# KiCad board MegaXE-keyboard.kicad_pcb (continued)
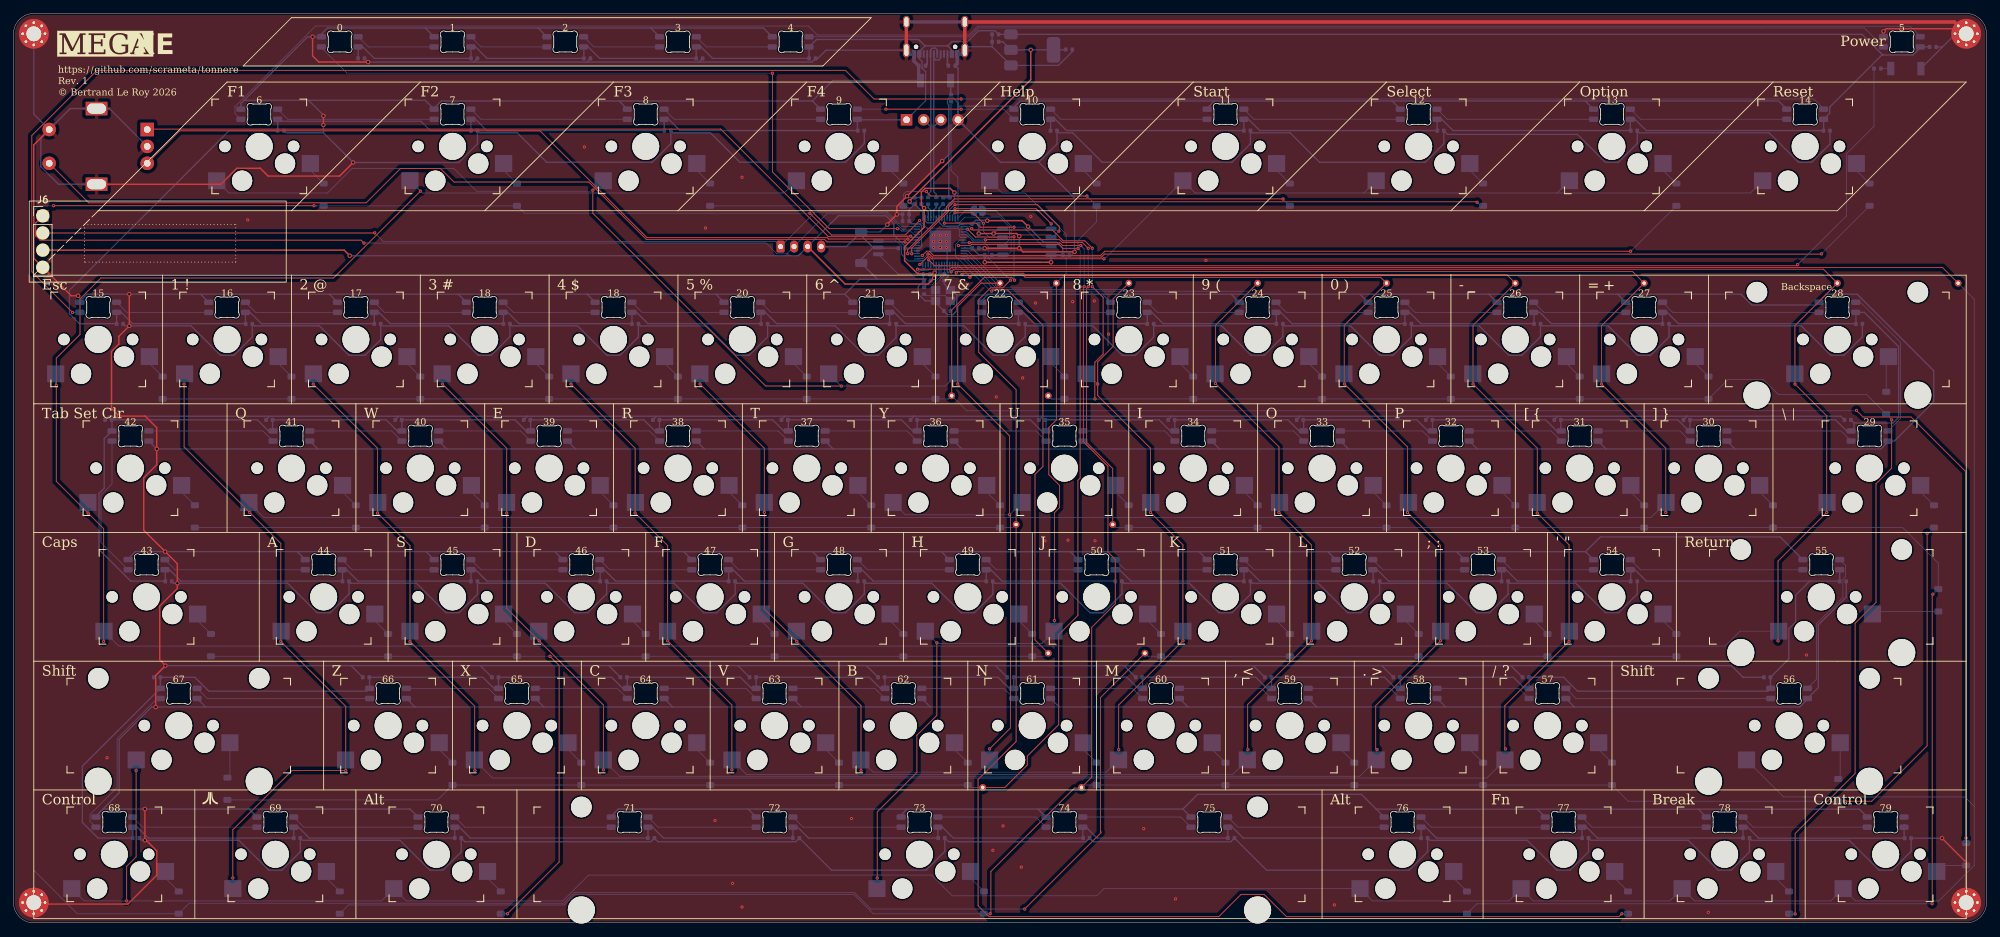
[diagram p0: board, top side]
## Library data of the parts (continued)
J6 = -: Description: Generic connector, single row, 01x04, script generated (kicad-library-utils/schlib/autogen/connector/); ki_fp_filters: Connector*:*_1x??_*
J9 = -: Basic: Ext; LCSC Part #: C160389; ki_fp_filters: Connector*:*_1x??-1MP*
R6 R7 = -: Description: Resistor; LCSC Part #: C25905; ki_fp_filters: R_*
R26 R28 = -: Basic: Basic; LCSC Part #: C138021; ki_fp_filters: R_*
R30-R32 = -: Basic: Basic; LCSC Part #: C11702; ki_fp_filters: R_*
R36 R37 = -: Basic: -; ki_fp_filters: R_*
SW1 = -: Datasheet: https://jlc-prod-smt.oss-eu-central-1.aliyuncs.com/smtDataManualFile/8588888800168304640-C470748.pdf?response-content-disposition=attachment%3B%20filename%3DC470748.pdf%3B%20filename%2A%3DUTF-8%27%27C470748.pdf&x-oss-date=20260602T220947Z&x-oss-expires=3600&x-oss-security-token=CAISgAN1q6Ft5B2yfSjIr5rkGO7ui7Z2wbbZYUHo01YyOOlhlojeuDz2IHhMdHJsAOodtv0%2FmmhT6PkclqRLcbhpcmfjV%2BZHzLB8qZEMsDdB4J7b16cNrbH4M4H6aXeirtuwDsz9SNTCALjPD3nPii50x5bjaDymRCbLGJaViJlhHLN1Ow6jdmhpCctxLAlvo9NgFxm3D%2Fu2NQPwiWf9FVdhvhEG6Vly8qOi2MaRmFy8yFTx0b0SvJ%2BjYMrmPctoN9JnSdC5mfdzau3a1TJ84gRD0a5wkaVA1zbDs5bfISEIuUzebreLqY03dV4mOvdqIcMe8qigz88fk%2FfIioH6xyxKOexoSCnFTOiiupCcQLPyao9jLu6iayqViY7QaIOTqQohZmkAMwVOasAsI3Ngh4zF97Qt0cVNkXO9gWfLI8DtuMleWgrIek9pEAPyAFpORa%2Bb5wchMHn6pr9EWOXuJZUIn3b%2FstWNupKq5ldctHSeoXq108CXVnU5PXYIssdUkqKWD5sagAFQ1G8Y1hXE%2Boia8uQIuXyzg4Doa8UkNKdPOSIDMABlffhli8P6U5m6tsuqrDCDNqQCSqfMVouVdLSGxfLSvU7LIBMzAShE%2Fnuc9%2FA1jTooAdcaW3J8WtrxHjuDf96Rs7U6rPt5kDVuwdvDdhwpeqnP18PBUPBJemA9RuSAUEfgOCAA&x-oss-signature-version=OSS4-HMAC-SHA256&x-oss-credential=STS.NYQSTZfiWvt2cgY7Vg4fMyMuZ%2F20260602%2Feu-central-1%2Foss%2Faliyun_v4_request&x-oss-signature=005bde505603f591e5983d590ed1096a9a7d0d8223e52cb50bdcdabc72613392; Description: Rotary encoder, dual channel, incremental quadrate outputs, with switch and MP Pin; LCSC Part #: C470748; ki_fp_filters: RotaryEncoder*Switch*
SW2 SW3 = -: Datasheet: https://jlc-prod-smt.oss-eu-central-1.aliyuncs.com/smtDataManualFile/8588886944055513088-C720477.pdf?response-content-disposition=attachment%3B%20filename%3DC720477.pdf%3B%20filename%2A%3DUTF-8%27%27C720477.pdf&x-oss-date=20260522T081900Z&x-oss-expires=3600&x-oss-security-token=CAISgAN1q6Ft5B2yfSjIr5mBH%2FHXiIpG84WgWH%2FDr0xhYcodqJXS1Dz2IHhMdHJsAOodtv0%2FmmhT6PkclqRLcbhpcmfjV%2BZHzLB8qbZiqBpN4J7b16cNrbH4M4H6aXeirtuwDsz9SNTCALjPD3nPii50x5bjaDymRCbLGJaViJlhHLN1Ow6jdmhpCctxLAlvo9NgFxm3D%2Fu2NQPwiWf9FVdhvhEG6Vly8qOi2MaRmFy8yFTx0b0SvJ%2BjYMrmPctoN9JnSdC5mfdzau3a1TJ84gRD0a5wkaVA1zbDs5bfISEIuUzebreLqY03dV4mOvdqIcMe8qigz88fk%2FfIioH6xyxKOexoSCnFTOiiupCcQLPyao9jLu6iayqViY7QaIOTqQohZmkAMwVOasAsI3Ngh4zF97Qt0cVNkXO9gWfLI8DtuMleWkrmVsgXsnSgc5lCkRRYwGs1287ugXlSQzo890KPDAEovaKCnZ2ZSfh7Y4sNknI6i%2Bfc2Se2MIkINlSIlqKWD5sagAGBHo9juQga0UU9jygNsHjyrAQeNxYHLKXh0uwJXaw9qKEM18tWHT1UMbquKqIkyVDbYPU8MvPD6GmsMOSzcApLXxnWDLUG3GBb75SmGYu1HkaqOTLl%2BHpMTr6TuT%2BtiM%2Fib1999m%2FpcGcr6A%2F5aEvae3nTbiSELaXVe3uugNXDRCAA&x-oss-signature-version=OSS4-HMAC-SHA256&x-oss-credential=STS.NZ4TKceUgDGKZYrKL4mE1GPy6%2F20260522%2Feu-central-1%2Foss%2Faliyun_v4_request&x-oss-signature=2a304137787ed6ddbd56df183787f43c5b1f7a11adb004a0b29fe2d21053da7c; Basic: Basic; LCSC Part #: C720477
SW10-SW17 SW19-SW59 SW61 SW64-SW68 SW70-SW74 SW76-SW80 = -: Datasheet: https://jlc-prod-smt.oss-eu-central-1.aliyuncs.com/smtDataManualFile/8604433240921165824-C41430893.pdf?response-content-disposition=attachment%3B%20filename%3DC41430893.pdf%3B%20filename%2A%3DUTF-8%27%27C41430893.pdf&x-oss-date=20260602T212829Z&x-oss-expires=3600&x-oss-security-token=CAISgAN1q6Ft5B2yfSjIr5vYLOvtrotQ57aSbEKHr2YbOOhuhoPa1Dz2IHhMdHJsAOodtv0%2FmmhT6PkclqRLcbhpcmfjV%2BZHzLB8qbtA%2BTFB4J7b16cNrbH4M4H6aXeirtuwDsz9SNTCALjPD3nPii50x5bjaDymRCbLGJaViJlhHLN1Ow6jdmhpCctxLAlvo9NgFxm3D%2Fu2NQPwiWf9FVdhvhEG6Vly8qOi2MaRmFy8yFTx0b0SvJ%2BjYMrmPctoN9JnSdC5mfdzau3a1TJ84gRD0a5wkaVA1zbDs5bfISEIuUzebreLqY03dV4mOvdqIcMe8qigz88fk%2FfIioH6xyxKOexoSCnFTOiiupCcQLPyao9jLu6iayqViY7QaIOTqQohZmkAMwVOasAsI3Ngh4zF97Qt0cVNkXO9gWfLI8DtuMleWkpt2eoFgnSgc5lCkRRYwGs1287ugXlSQzo890KPDAEovaKCnZ2ZSfh7Y4sNknI6i%2Bfc2Se2MIkIJTXmgqKWD5sagAEOhQvzaMhr522981bZ3Jt77odz58RqZ28p%2FcZjEaHKOJOqOodF3yd7OY%2FiIojoGokMnNcwv3foPOlnrLOao%2FR1a5tqEWePVPAdLq3eXgpuIGb9%2Fbp2BoniUVejor3c8AApFc3UQOQ3XQw8zvJdGvkIKgFWWQ%2BxWxlaChNQDmCRnSAA&x-oss-signature-version=OSS4-HMAC-SHA256&x-oss-credential=STS.NXmgQYCTqPtynd6KfN4gBiFq6%2F20260602%2Feu-central-1%2Foss%2Faliyun_v4_request&x-oss-signature=eda8f87dcb1e24bc1ab1aa05eecb016c404c3a534c63c45342ff6449384909d0; Description: Push button switch, generic, two pins; JLCPCB Part #: C41430893; LCSC Part #: C41430893; FT Layer Override: bottom; FT Rotation Offset: 180; FT Position Offset: 0.635,3.81
SW18 = -: JLCPCB Part #: C41430893; FT Position Offset: 0.635,3.81; FT Layer Override: bottom; FT Rotation Offset: 180
SW62 SW63 SW69 SW75 = -: LCSC Part #: C41430893; FT Layer Override: bottom; FT Position Offset: 0.635,3.81; FT Rotation Offset: 180
TP1-TP17 = -: Description: test point; ki_fp_filters: Pin* Test*
U4 = -: Datasheet: http://www.onsemi.com/pub_link/Collateral/NCP1117-D.PDF; Basic: Basic; LCSC Part #: C6186; ki_fp_filters: SOT?223*TabPin2*
U7 = -: Datasheet: https://datasheets.raspberrypi.com/rp2040/rp2040-datasheet.pdf; Description: A microcontroller by Raspberry Pi; Basic: Ext; FT Rotation Offset: 270; LCSC Part #: C2040; ki_fp_filters: QFN*1EP*7x7mm?P0.4mm*
U9 = -: Datasheet: http://www.winbond.com/resource-files/w25q128jv_dtr%20revc%2003272018%20plus.pdf; Basic: Basic; LCSC Part #: C97521; ki_fp_filters: SOIC*5.23x5.23mm*P1.27mm*
X1 = -: Datasheet: https://www.lcsc.com/datasheet/lcsc_datasheet_2403291504_YXC-Crystal-Oscillators-X322512MSB4SI_C9002.pdf; Description: Four pin crystal, GND on pins 2 and 4; Basic: Basic; LCSC Part #: C9002; ki_fp_filters: Crystal*

## Footprints (pads in the part's own frame, mm; a bottom-side part is the same pattern mirrored in y, then rotated)
C_0402_1005Metric
  rrect 0.56x0.62 smd: 1(-0.48,0) 2(0.48,0)
Crystal_SMD_Abracon_ABM8AIG-4Pin_3.2x2.5mm
  rect 1.4x1.2 smd: 1(-1.1,-0.8) 2(1.1,-0.8) 3(1.1,0.8) 4(-1.1,0.8)
D_SOD-123
  rrect 0.9x1.2 smd: 1(-1.65,0) 2(1.65,0)
JST_PH_B4B-PH-K_1x04_P2.00mm_Vertical
  rrect 1.2x1.75 hole 0.75: 1(0,0)
  oval 1.2x1.75 hole 0.75: 2(2,0) 3(4,0) 4(6,0)
JST_SH_BM03B-SRSS-TB_1x03-1MP_P1.00mm_Vertical
  rrect 0.6x1.55 smd: 1(-1,-1.325) 2(0,-1.325) 3(1,-1.325)
  rrect 1.2x1.8 smd: MP(-2.3,1.2) MP(2.3,1.2)
Kailh_socket_MX_1-00U
  round 1.702 hole 1.702 unplated: (-5.08,0) (5.08,0)
  round 3 hole 3 unplated: (-2.54,-5.08) (3.81,-2.54)
  round 3.988 hole 3.988 unplated: (0,0)
  rect 2.55x2.5 smd far side: 1(-6.29,-5.08) 2(7.56,-2.54)
Kailh_socket_MX_2-00U
  round 3.05 hole 3.05 unplated: (-11.9,7) (11.9,7)
  round 4 hole 4 unplated: (-11.9,-8.24) (11.9,-8.24)
  round 1.702 hole 1.702 unplated: (-5.08,0) (5.08,0)
  round 3 hole 3 unplated: (-2.54,-5.08) (3.81,-2.54)
  round 3.988 hole 3.988 unplated: (0,0)
  rect 2.55x2.5 smd far side: 1(-6.29,-5.08) 2(7.56,-2.54)
Kailh_socket_MX_6-25U
  round 3.05 hole 3.05 unplated: (-50,7) (50,7)
  round 4 hole 4 unplated: (-50,-8.24) (50,-8.24)
  round 1.702 hole 1.702 unplated: (-5.08,0) (5.08,0)
  round 3 hole 3 unplated: (-2.54,-5.08) (3.81,-2.54)
  round 3.988 hole 3.988 unplated: (0,0)
  rect 2.55x2.5 smd far side: 1(-6.29,-5.08) 2(7.56,-2.54)
LED_SK6812MINI-E_3.2x2.8mm_P1.5mm_ReverseMount
  rrect 1.35x0.82 smd: 1(-2.725,-0.75) 2(-2.725,0.75) 3(2.725,0.75) 4(2.725,-0.75)
MountingHole_2.2mm_M2_Pad_Via
  round 0.7 hole 0.4: 1(-1.65,0) 1(-1.167,-1.167) 1(-1.167,1.167) 1(0,-1.65) 1(0,1.65) 1(1.167,-1.167) 1(1.167,1.167) 1(1.65,0)
  round 4.4 hole 2.2: 1(0,0)
PinHeader_1x04_P2.54mm_Vertical
  rect 1.7x1.7 hole 1: 1(0,0)
  round 1.7 hole 1: 2(0,-2.54) 3(0,-5.08) 4(0,-7.62)
QFN-56-1EP_7x7mm_P0.4mm_EP3.2x3.2mm
  rrect 1.29x1.29 smd: (-0.8,-0.8) (-0.8,0.8) (0.8,-0.8) (0.8,0.8)
  rrect 0.875x0.2 smd: 1(-3.438,2.6) 2(-3.438,2.2) 3(-3.438,1.8) 4(-3.438,1.4) 5(-3.438,1) 6(-3.438,0.6) 7(-3.438,0.2) 8(-3.438,-0.2) 9(-3.438,-0.6) 10(-3.438,-1) 11(-3.438,-1.4) 12(-3.438,-1.8) 13(-3.438,-2.2) 14(-3.438,-2.6) 29(3.438,-2.6) 30(3.438,-2.2) 31(3.438,-1.8) 32(3.438,-1.4) 33(3.438,-1) 34(3.438,-0.6) 35(3.438,-0.2) 36(3.438,0.2) 37(3.438,0.6) 38(3.438,1) 39(3.438,1.4) 40(3.438,1.8) 41(3.438,2.2) 42(3.438,2.6)
  rrect 0.2x0.875 smd: 15(-2.6,-3.438) 16(-2.2,-3.438) 17(-1.8,-3.438) 18(-1.4,-3.438) 19(-1,-3.438) 20(-0.6,-3.438) 21(-0.2,-3.438) 22(0.2,-3.438) 23(0.6,-3.438) 24(1,-3.438) 25(1.4,-3.438) 26(1.8,-3.438) 27(2.2,-3.438) 28(2.6,-3.438) 43(2.6,3.438) 44(2.2,3.438) 45(1.8,3.438) 46(1.4,3.438) 47(1,3.438) 48(0.6,3.438) 49(0.2,3.438) 50(-0.2,3.438) 51(-0.6,3.438) 52(-1,3.438) 53(-1.4,3.438) 54(-1.8,3.438) 55(-2.2,3.438) 56(-2.6,3.438)
  rect 3.2x3.2 smd: 57(0,0)
R_0402_1005Metric
  rrect 0.54x0.64 smd: 1(-0.51,0) 2(0.51,0)
RotaryEncoder_Alps_EC11E-Switch_Vertical_H20mm
  rect 2x2 hole 1: A(0,0)
  round 2 hole 1: B(0,-5) C(0,-2.5) S1(14.5,-5) S2(14.5,0)
  rect 3.2x2 hole 2.8x1.5: MP(7.5,-8.1) MP(7.5,3.1)
SOIC-8_5.3x5.3mm_P1.27mm
  rrect 1.625x0.65 smd: 1(-3.587,1.905) 2(-3.587,0.635) 3(-3.587,-0.635) 4(-3.587,-1.905) 5(3.587,-1.905) 6(3.587,-0.635) 7(3.587,0.635) 8(3.587,1.905)
SolderJumper-2_P1.3mm_Bridged_RoundedPad1.0x1.5mm
  custom 1x1.5 smd: 1(-0.65,0) 2(0.65,0)
SOT-223-3_TabPin2
  rrect 2x1.5 smd: 1(-3.15,2.3) 2(-3.15,0) 3(-3.15,-2.3)
  rrect 2x3.8 smd: 2(3.15,0)
TactileSwitch
  rect 1.05x2 smd: 1(-2.225,0) 2(2.225,0)
TestPoint_THTPad_D1.0mm_Drill0.5mm
  round 1 hole 0.5: 1(0,0)
USB_C_Receptacle_C2765186
  round 0.65 hole 0.65 unplated: (-2.89,2.605) (2.89,2.605)
  rrect 0.6x1.15 smd: A1(-3.2,3.67) A4(-2.4,3.67) A9(2.4,3.67) A12(3.2,3.67) B1(3.2,3.67) B4(2.4,3.67) B9(-2.4,3.67) B12(-3.2,3.67)
  rrect 0.3x1.15 smd: A5(-1.25,3.67) A6(-0.25,3.67) A7(0.25,3.67) A8(1.25,3.67) B5(1.75,3.67) B6(0.75,3.67) B7(-0.75,3.67) B8(-1.75,3.67)
  oval 1x1.8 hole 0.6x1.4: S1(-4.32,-1.075) S1(4.32,-1.075)
  oval 1x2.1 hole 0.6x1.7: S1(-4.32,3.105) S1(4.32,3.105)

## Nets
+1V1: C4.1 C5.1 C6.1 U7.23 U7.45 U7.50
+3V3: C7.1 C8.1 C9.1 C10.1 C11.1 C12.1 C13.1 C14.1 C27.1 C28.1 C42.1 J1.3 J6.3 R36.1 U4.2 U7.1 U7.10 U7.22 U7.33 U7.42 U7.43 U7.44 U7.48 U7.49 U9.8
GND: C4.2 C5.2 C6.2 C7.2 C8.2 C9.2 C10.2 C11.2 C12.2 C13.2 C14.2 C24.2 C25.1 C27.2 C28.2 C42.2 C43.1 C75.2 C76.2 C77.2 C78.2 C79.2 C80.2 C81.2 C82.2 C83.2 C84.2 C85.2 C86.2 C87.2 C88.2 C89.2 C90.2 C91.2 C92.2 C93.2 C94.2 C95.2 C96.2 C97.2 C98.2 C99.2 C100.2 C101.2 C102.2 C103.2 C104.2 C105.2 C106.2 C107.2 C108.2 C109.2 C110.2 C111.2 C112.2 C113.2 C114.2 C115.2 C116.2 C117.2 C118.2 C119.2 C120.2 C121.2 C123.2 C124.2 C125.2 C126.2 C127.2 C128.2 C129.2 C130.2 C131.2 C132.2 C133.2 C134.2 C135.2 C136.2 C137.2 C138.2 C139.2 C140.2 C141.2 C142.2 C143.2 C144.2 C145.2 C146.2 C147.2 C148.2 C149.2 C150.2 C151.2 C152.2 C153.2 C154.2 C155.2 D149.1 D150.1 D151.1 D152.1 D153.1 D154.1 D155.1 D156.1 D157.1 D158.1 D159.1 D160.1 D161.1 D162.1 D163.1 D164.1 D165.1 D166.1 D167.1 D168.1 D169.1 D170.1 D171.1 D172.1 D173.1 D174.1 D175.1 D176.1 D177.1 D178.1 D179.1 D180.1 D181.1 D182.1 D183.1 D184.1 D185.1 D186.1 D187.1 D188.1 D189.1 D190.1 D191.1 D192.1 D193.1 D194.1 D195.1 D197.1 D198.1 D199.1 D200.1 D201.1 D202.1 D203.1 D204.1 D205.1 D206.1 D207.1 D208.1 D209.1 D210.1 D211.1 D212.1 D213.1 D214.1 D215.1 D216.1 D217.1 D218.1 D219.1 D220.1 D221.1 D222.1 D223.1 D224.1 D225.1 D226.1 D227.1 D228.1 D229.1 H1.1 H2.1 H3.1 H4.1 J1.4 J4.4 J5.A1 J5.A12 J5.B1 J5.B12 J5.S1 J6.4 J9.2 J9.MP R6.2 R7.2 SW1.C SW1.MP SW1.S2 SW2.1 SW3.1 U4.1 U7.19 U7.57 U9.4 X1.2 X1.4
/Controller/FLASH_SS: R36.2 R37.2 U9.1
/Controller/QSPI_SCLK: U7.52 U9.6
/Controller/QSPI_SD0: U7.53 U9.5
/Controller/QSPI_SD1: U7.55 U9.2
/Controller/QSPI_SD2: U7.54 U9.3
/Controller/QSPI_SD3: U7.51 U9.7
/Controller/QSPI_SS: R30.1 R37.1 U7.56
/Controller/SCL: J1.1 J6.2 U7.41
/Controller/SDA: J1.2 J6.1 U7.40
/Controller/SWCLK: J9.1 U7.24
/Controller/SWD: J9.3 U7.25
/Controller/USB_D+: J4.3 J5.A6 J5.B6 R26.1
/Controller/USB_D-: J4.2 J5.A7 J5.B7 R28.1
/Controller/USB_DN: R28.2 U7.46
/Controller/USB_DP: R26.2 U7.47
/Controller/XIN: C24.1 U7.20 X1.1
/Controller/XOUT: R31.2 U7.21
/Controller/~{USB_BOOT}: R30.2 SW2.2
/Key0/RGB_IN: D169.4 D178.2
/Key0/RGB_OUT: D178.4 D185.2
/Key1/RGB_IN: D193.2 D201.4
/Key1/RGB_OUT: D186.2 D193.4
/Key2/RGB_OUT: D177.2 D186.4
/Key3/RGB_OUT: D170.2 D177.4
/Key4/RGB_OUT: D167.2 D170.4
/Key5/RGB_OUT: D151.2 D167.4
/Key6/RGB_OUT: D150.2 D151.4
/Key7/RGB_OUT: D150.4 D168.2
/Key8/RGB_OUT: D168.4 D169.2
/KeyA/RGB_IN: D197.2 D202.4
/KeyA/RGB_OUT: D188.2 D197.4
/KeyAlt/RGB_IN: D198.4 D227.2
/KeyAlt/RGB_OUT: D221.2 D227.4
/KeyB/RGB_IN: D155.4 D161.2
/KeyB/RGB_OUT: D161.4 D176.2
/KeyBackslash/RGB_IN: D204.4 D229.2
/KeyBackslash/RGB_OUT: D194.2 D229.4
/KeyBreak/RGB_IN: D210.2 D226.4
/KeyBreak/RGB_OUT: D210.4 D225.2
/KeyC/RGB_IN: D176.4 D184.2
/KeyC/RGB_OUT: D184.4 D187.2
/KeyCaps/RGB_IN: D202.2 D206.4
/KeyComma/RGB_IN: D175.2 D179.4
/KeyComma/RGB_OUT: D162.2 D175.4
/KeyControl/RGB_IN: D205.2 D209.4
/KeyControl/RGB_OUT: D198.2 D205.4
/KeyD/RGB_IN: D181.2 D188.4
/KeyD/RGB_OUT: D174.2 D181.4
/KeyDelete/RGB_IN: D195.4 D204.2
/KeyE/RGB_IN: D172.4 D183.2
/KeyE/RGB_OUT: D183.4 D189.2
/KeyEqual/RGB_IN: D185.4 D195.2
/KeyEsc/RGB_IN: D201.2 D211.4
/KeyF1/RGB_IN: D149.4 D154.2
/KeyF1/RGB_OUT: D154.4 D207.2
/KeyF2/RGB_OUT: D159.2 D207.4
/KeyF3/RGB_OUT: D159.4 D208.2
/KeyF4/RGB_OUT: D160.2 D208.4
/KeyF/RGB_OUT: D163.2 D174.4
/KeyFn/RGB_IN: D226.2 D228.4
/KeyG/RGB_OUT: D157.2 D163.4
/KeyH/RGB_OUT: D156.2 D157.4
/KeyHelp/RGB_OUT: D160.4 D214.2
/KeyI/RGB_IN: D166.2 D171.4
/KeyI/RGB_OUT: D152.2 D166.4
/KeyJ/RGB_OUT: D156.4 D164.2
/KeyK/RGB_OUT: D164.4 D173.2
/KeyL/RGB_OUT: D173.4 D182.2
/KeyLeftBracket/RGB_IN: D190.2 D194.4
/KeyLeftBracket/RGB_OUT: D180.2 D190.4
/KeyLeftShift/RGB_IN: D200.4 D209.2
/KeyM/RGB_OUT: D155.2 D162.4
/KeyO/RGB_IN: D171.2 D180.4
/KeyOption/RGB_IN: D212.2 D213.4
/KeyOption/RGB_OUT: D211.2 D212.4
/KeyPeriod/RGB_IN: D179.2 D191.4
/KeyQ/RGB_IN: D189.4 D199.2
/KeyQ/RGB_OUT: D199.4 D206.2
/KeyQuote/RGB_IN: D182.4 D192.2
/KeyQuote/RGB_OUT: D192.4 D203.2
/KeyR/RGB_IN: D165.4 D172.2
/KeyReturn/RGB_OUT: D203.4 D215.2
/KeyRightAlt/RGB_IN: D224.4 D228.2
/KeyRightControl/RGB_OUT: D225.4
/KeyRightShift/RGB_OUT: D191.2 D215.4
/KeySelect/RGB_IN: D213.2 D214.4
/KeySpace/RGB_IN: D158.2 D222.4
/KeySpace/RGB_OUT: D158.4 D223.2
/KeyT/RGB_IN: D153.4 D165.2
/KeyU/RGB_OUT: D152.4 D153.2
/KeyX/RGB_OUT: D187.4 D200.2
/Logo1/RGB_OUT: D216.4 D217.2
/Logo2/RGB_OUT: D217.4 D218.2
/Logo3/RGB_OUT: D218.4 D219.2
/Logo4/RGB_OUT: D219.4 D220.2
/Logo5/RGB_OUT: D149.2 D220.4
/Space1/RGB_OUT: D221.4 D222.2
/Space3/RGB_OUT: D223.4 D224.2
COL_1: SW10.1 SW11.1 SW12.1 SW13.1 SW14.1 SW15.1 SW19.1 TP1.1 U7.11
COL_2: SW16.1 SW17.1 SW18.1 SW20.1 TP2.1 U7.12
COL_3: SW21.1 SW22.1 SW23.1 SW24.1 SW25.1 SW26.1 SW27.1 SW28.1 TP3.1 U7.13
COL_4: SW29.1 SW30.1 SW31.1 SW32.1 SW33.1 SW34.1 SW35.1 SW36.1 TP4.1 U7.14
COL_5: SW37.1 SW38.1 SW39.1 SW40.1 SW41.1 SW42.1 SW43.1 SW44.1 TP5.1 U7.15
COL_6: SW45.1 SW46.1 SW47.1 SW48.1 SW49.1 SW50.1 SW51.1 SW52.1 TP6.1 U7.16
COL_7: SW53.1 SW54.1 SW55.1 SW56.1 SW57.1 SW58.1 SW59.1 TP7.1 U7.17
COL_8: SW61.1 SW62.1 SW63.1 SW64.1 SW65.1 SW67.1 SW68.1 SW80.1 TP8.1 U7.18
COL_9: SW66.1 SW69.1 SW70.1 SW75.1 SW76.1 SW77.1 SW78.1 SW79.1 TP9.1 U7.27
CONSOLE: SW71.1 SW72.1 SW73.1 SW74.1 U7.28
EncoderA: SW1.A U7.37
EncoderB: SW1.B U7.36
EncoderSwitch: SW1.S1 U7.35
OPTION: D141.1 U7.30
RESET: D139.1 U7.29
RGB: D216.2 U7.38
ROW_1: D17.1 D53.1 D55.1 D71.1 D89.1 D103.1 D123.1 D137.1 TP10.1 U7.2
ROW_2: D18.1 D51.1 D57.1 D73.1 D87.1 D105.1 D119.1 D130.1 TP11.1 U7.3
ROW_3: D19.1 D49.1 D59.1 D75.1 D93.1 D113.1 D121.1 D134.1 TP12.1 U7.4
ROW_4: D20.1 D47.1 D61.1 D77.1 D99.1 D111.1 D131.1 D148.1 TP13.1 U7.5
ROW_5: D21.1 D23.1 D31.1 D63.1 D79.1 D97.1 D125.1 D129.1 TP14.1 U7.6
ROW_6: D24.1 D30.1 D65.1 D81.1 D95.1 D109.1 D127.1 D132.1 TP15.1 U7.7
ROW_7: D22.1 D25.1 D29.1 D67.1 D83.1 D91.1 D115.1 D128.1 D147.1 TP16.1 U7.8
ROW_8: D26.1 D27.1 D28.1 D69.1 D85.1 D101.1 D107.1 D133.1 D135.1 TP17.1 U7.9
SELECT: D143.1 U7.31
START: D145.1 U7.32
VSYS: C43.2 C75.1 C76.1 C77.1 C78.1 C79.1 C80.1 C81.1 C82.1 C83.1 C84.1 C85.1 C86.1 C87.1 C88.1 C89.1 C90.1 C91.1 C92.1 C93.1 C94.1 C95.1 C96.1 C97.1 C98.1 C99.1 C100.1 C101.1 C102.1 C103.1 C104.1 C105.1 C106.1 C107.1 C108.1 C109.1 C110.1 C111.1 C112.1 C113.1 C114.1 C115.1 C116.1 C117.1 C118.1 C119.1 C120.1 C121.1 C123.1 C124.1 C125.1 C126.1 C127.1 C128.1 C129.1 C130.1 C131.1 C132.1 C133.1 C134.1 C135.1 C136.1 C137.1 C138.1 C139.1 C140.1 C141.1 C142.1 C143.1 C144.1 C145.1 C146.1 C147.1 C148.1 C149.1 C150.1 C151.1 C152.1 C153.1 C154.1 C155.1 D149.3 D150.3 D151.3 D152.3 D153.3 D154.3 D155.3 D156.3 D157.3 D158.3 D159.3 D160.3 D161.3 D162.3 D163.3 D164.3 D165.3 D166.3 D167.3 D168.3 D169.3 D170.3 D171.3 D172.3 D173.3 D174.3 D175.3 D176.3 D177.3 D178.3 D179.3 D180.3 D181.3 D182.3 D183.3 D184.3 D185.3 D186.3 D187.3 D188.3 D189.3 D190.3 D191.3 D192.3 D193.3 D194.3 D195.3 D197.3 D198.3 D199.3 D200.3 D201.3 D202.3 D203.3 D204.3 D205.3 D206.3 D207.3 D208.3 D209.3 D210.3 D211.3 D212.3 D213.3 D214.3 D215.3 D216.3 D217.3 D218.3 D219.3 D220.3 D221.3 D222.3 D223.3 D224.3 D225.3 D226.3 D227.3 D228.3 D229.3 J4.1 J5.A4 J5.A9 J5.B4 J5.B9 U4.3
Net-(C25-Pad2): C25.2 R31.1 X1.3
Net-(D17-A): D17.2 SW10.2
Net-(D18-A): D18.2 SW11.2
Net-(D19-A): D19.2 SW12.2
Net-(D20-A): D20.2 SW13.2
Net-(D21-A): D21.2 SW14.2
Net-(D22-A): D22.2 SW15.2
Net-(D23-A): D23.2 SW16.2
Net-(D24-A): D24.2 SW17.2
Net-(D25-A): D25.2 SW18.2
Net-(D26-A): D26.2 SW19.2
Net-(D27-A): D27.2 SW20.2
Net-(D28-A): D28.2 SW21.2
Net-(D29-A): D29.2 SW22.2
Net-(D30-A): D30.2 SW23.2
Net-(D31-A): D31.2 SW24.2
Net-(D47-A): D47.2 SW25.2
Net-(D49-A): D49.2 SW26.2
Net-(D51-A): D51.2 SW27.2
Net-(D53-A): D53.2 SW28.2
Net-(D55-A): D55.2 SW29.2
Net-(D57-A): D57.2 SW30.2
Net-(D59-A): D59.2 SW31.2
Net-(D61-A): D61.2 SW32.2
Net-(D63-A): D63.2 SW33.2
Net-(D65-A): D65.2 SW34.2
Net-(D67-A): D67.2 SW35.2
Net-(D69-A): D69.2 SW36.2
Net-(D71-A): D71.2 SW37.2
Net-(D73-A): D73.2 SW38.2
Net-(D75-A): D75.2 SW39.2
Net-(D77-A): D77.2 SW40.2
Net-(D79-A): D79.2 SW41.2
Net-(D81-A): D81.2 SW42.2
Net-(D83-A): D83.2 SW43.2
Net-(D85-A): D85.2 SW44.2
Net-(D87-A): D87.2 SW45.2
Net-(D89-A): D89.2 SW46.2
Net-(D91-A): D91.2 SW47.2
Net-(D93-A): D93.2 SW48.2
Net-(D95-A): D95.2 SW49.2
Net-(D97-A): D97.2 SW50.2
Net-(D99-A): D99.2 SW51.2
Net-(D101-A): D101.2 SW52.2
Net-(D103-A): D103.2 SW53.2
Net-(D105-A): D105.2 SW54.2
Net-(D107-A): D107.2 SW55.2
Net-(D109-A): D109.2 SW56.2
Net-(D111-A): D111.2 SW57.2
Net-(D113-A): D113.2 SW58.2
Net-(D115-A): D115.2 SW59.2
Net-(D119-A): D119.2 SW61.2
Net-(D121-A): D121.2 SW62.2
Net-(D123-A): D123.2 SW63.2
Net-(D125-A): D125.2 SW64.2
Net-(D127-A): D127.2 SW65.2
Net-(D128-A): D128.2 SW80.2
Net-(D129-A): D129.2 SW66.2
Net-(D130-A): D130.2 SW76.2
Net-(D131-A): D131.2 SW67.2
Net-(D132-A): D132.2 SW78.2
Net-(D133-A): D133.2 SW68.2
Net-(D134-A): D134.2 SW79.2
Net-(D135-A): D135.2 SW69.2
Net-(D137-A): D137.2 SW70.2
Net-(D139-A): D139.2 SW71.2
Net-(D141-A): D141.2 SW72.2
Net-(D143-A): D143.2 SW73.2
Net-(D145-A): D145.2 SW74.2
Net-(D147-A): D147.2 SW75.2
Net-(D148-A): D148.2 SW77.2
Net-(J5-CC1): J5.A5 R7.1
Net-(J5-CC2): J5.B5 R6.1
Net-(R32-Pad2): R32.2 SW3.2
Net-(U7-RUN): R32.1 U7.26

Pads without a net: J5 A8 B8; U7 34 39

## Via types
v1: diameter 0.47, hole 0.2, Top to Bottom, 174 vias
v2: diameter 0.652, hole 0.39, Top to Bottom, 39 vias

## Routing (per net, layer and track width the routed paths; a pad name or vN(x,y) marks a point on that pad's centre or on a via; arc(x,y) is an arc through that point)
+1V1: length 31.3
  Top w0.2: v2(136.2,96.23) 136.02,96.04 133.72,96.04 131.77,98 131.77,100.07 134.65,102.95 v2(134.65,105.8) 134.25,106.2 134.25,108.16 134.79,108.7 138.52,108.7 v2(139.13,108.09)
  Bottom w0.2: C4.1 134.25,106.2 v2(134.65,105.8) 135.25,105.2 U7.45 ; 135.5,96.04 136.02,96.04 v2(136.2,96.23) 136.45,96.47 U7.23 ; v2(139.13,108.09) 139.13,107.07 C6.1 137.25,105.18 U7.50
+3V3: length 257.7
  Top w0.2: v2(150.43,129.21) 150.43,124.8 132.51,106.88 v2(132.51,106.77) ; v2(49.72,98.74) 48.9,99.56 J6.3 ; v2(150.02,103.05) 149.15,103.93 v2(143.99,103.93) ; J1.3 122.98,94.54 135.24,94.54 v2(136.15,95.45) ; v2(143.62,97.77) v2(153.43,97.77)
  Bottom w0.2: v2(143.62,97.77) 143.62,98.04 143.64,98.05 R36.1 142.77,98.86 141.77,99.86 U7.10 ; v2(49.72,98.74) 116.07,98.74 J1.3 121.98,104.65 129,104.65 130.17,103.49 130.17,101.79 131.81,100.15 C12.1 131.82,99.86 U7.33 134.04,99.86 134.28,100.1 134.28,103.23 134.04,103.46 U7.42 132.83,103.46 C13.1 C14.1 132.43,105.56 C7.1 ; U7.49 136.85,105.78 C9.1 ; U7.49 136.85,103.71 137.46,103.1 139.69,103.1 139.98,103.39 140.41,103.39 U7.1 141.77,103.46 142.31,104 143.92,104 v2(143.99,103.93) ; U7.49 U7.48 136.45,103.87 136.22,103.64 135.08,103.64 134.85,103.86 U7.44 U7.43 134.45,105.18 C7.1 ; C7.1 132.89,106.38 v2(132.51,106.77) ; C11.1 135.74,95.04 v2(136.15,95.45) 136.21,95.45 136.85,96.09 U7.22 ; v2(153.43,97.77) 153.43,98.89 U9.8 155.12,98.91 C42.1 155.17,99.81 154.24,100.74 152.33,100.74 v2(150.02,103.05) ; C27.1 146.29,130.41 U4.2 v2(150.43,129.21) U4.2 155.55,129.21 C28.1
GND: length 4106.4
  Top w0.2: v2(52.44,127.41) 45.15,127.41 44.22,128.33 v2(44.22,131.15) ; H3.1 287.99,132.34 276.93,132.34 v2(276.52,131.94) ; v2(17.12,93.04) v2(17.12,88.36) 15.57,86.8 15.57,85.65 14.48,84.57 14.48,76.14 v2(15.62,75) 19.47,75 21.18,73.29 v2(21.18,70.14) 21.18,67.8 19.25,65.87 19.25,58.12 v2(22.42,54.94) 24.22,53.14 v2(24.22,50.26) 24.22,49.49 21.63,46.89 21.63,38.91 v2(22.47,38.07) 21.02,36.62 v2(21.02,31.94) ; v2(137.32,112.74) v2(132.12,107.54) 130.62,106.04 v2(130.62,104.84) 129.23,103.44 v2(129.23,103.34) ; v2(143.61,99.84) v2(148.73,99.84) 149.26,99.31 v2(156.9,99.31) ; v2(148.73,101.63) 148.34,102.02 v2(144.93,102.02) v2(142.73,102.02) ; v2(285.18,12.52) 288.75,8.95 H2.1 ; v2(45.83,119.45) v2(45.83,118.09) ; v2(19.42,16.84) v2(19.42,12.22) 19.61,12.22 21.19,10.64 21.19,7.05 16.92,2.78 3.22,2.78 H1.1 ; v2(9.56,92.81) 8.54,92.81 J6.4 2.99,98.35 2.99,115.14 SW1.S2 ; v2(50.23,112.54) 48.21,110.53 37.65,110.53 36.49,111.69 33.03,111.69 30.66,109.32 SW1.MP
  Top w0.5: H3.1 287,133.34 J5.S1 J5.S1 ; 132.03,133.34 132.03,129.16
  Bottom w0.2: 225.32,16.83 D226.1 ; 225.32,16.83 249.13,16.83 ; 225.32,16.83 201.51,16.83 ; 151.61,112.57 156.9,107.28 v2(156.9,99.31) 156.45,98.86 C42.2 ; 151.61,112.57 154.31,115.27 C86.2 154.61,116.94 156.62,116.94 160.98,112.57 180.18,112.57 182.9,115.3 C140.2 183.21,116.94 188.77,116.94 193.13,112.57 208.76,112.57 211.5,115.32 C139.2 212.04,116.71 231.25,116.71 235.39,112.57 237.33,112.57 240.1,115.35 C138.2 240.41,116.94 259.61,116.94 263.97,112.57 265.91,112.57 268.6,115.27 C137.2 ; 151.61,112.57 145.96,112.57 J4.4 ; 116.52,31.94 97.48,31.94 ; 116.52,31.94 D176.1 ; 116.52,31.94 135.57,31.94 ; 97.48,31.94 78.42,31.94 ; 97.48,31.94 D184.1 ; 202.32,38.07 C105.2 ; 202.32,38.07 183.32,38.07 ; 202.32,38.07 221.42,38.07 ; 180.06,93.04 199.11,93.04 ; 180.06,93.04 161.01,93.04 ; 180.06,93.04 D169.1 ; 199.11,93.04 218.16,93.04 ; 199.11,93.04 D178.1 ; 249.13,16.83 D210.1 ; 249.13,16.83 272.95,16.83 D225.1 ; 114.08,74.98 95.08,74.98 95.04,74.93 ; 114.08,74.98 C91.2 ; 114.08,74.98 133.19,74.98 ; 230.82,31.94 264.12,31.94 265.28,33.1 D215.1 266.88,34.81 266.88,44.1 271,48.22 C129.2 ; 230.82,31.94 D191.1 ; 230.82,31.94 211.77,31.94 ; 139.67,120.62 139.94,120.89 147.46,120.89 D160.1 147.91,120.72 148.83,121.64 177.57,121.64 ; 139.67,120.62 139.67,120.54 ; 139.67,120.62 J4.4 ; 139.67,120.62 139.67,126.45 R6.2 ; D154.1 33.61,121.26 34.1,121.74 ; 84.77,127.41 C144.2 ; 84.77,127.41 68.07,127.41 ; 84.77,127.41 101.37,127.41 ; 183.32,38.07 C101.2 ; 183.32,38.07 164.22,38.07 ; J9.MP 125.35,101.71 127.1,99.96 ; J9.MP 123.18,100.09 J1.4 ; J9.MP 128.14,102.26 v2(129.23,103.34) ; 175.31,54.93 194.36,54.93 ; 175.31,54.93 D164.1 ; 175.31,54.93 156.26,54.93 ; 194.36,54.93 213.41,54.93 ; 194.36,54.93 D173.1 ; 140.24,70.14 D153.1 ; 140.24,70.14 121.19,70.14 ; 140.24,70.14 159.29,70.14 ; 137.21,54.93 D157.1 ; 137.21,54.93 156.26,54.93 ; 137.21,54.93 118.16,54.93 ; 56.98,74.98 37.88,74.98 ; 56.98,74.98 C115.2 ; 56.98,74.98 75.98,74.98 ; 37.88,74.98 C125.2 ; 37.88,74.98 14.08,74.98 C132.2 ; 192.73,31.94 173.68,31.94 ; 192.73,31.94 211.77,31.94 ; 192.73,31.94 D175.1 ; 173.68,31.94 154.62,31.94 ; 173.68,31.94 D162.1 ; 132.03,129.16 120.14,129.16 118.92,127.94 C146.2 118.07,127.41 101.37,127.41 ; 201.51,16.83 D228.1 ; 201.51,16.83 199.32,19.02 175.09,19.02 172.92,16.84 ; 102.14,70.14 D172.1 ; 102.14,70.14 83.09,70.14 ; 102.14,70.14 121.19,70.14 ; 77.56,132.44 D218.1 ; 77.56,132.44 60.89,132.44 ; 77.56,132.44 94.23,132.44 ; v2(285.18,12.52) C151.2 280.6,10.59 277.81,7.8 275.87,7.8 271.47,12.2 257.05,12.2 C136.2 256.7,10.5 254,7.8 252.06,7.8 247.64,12.22 233.23,12.22 C152.2 232.9,10.52 230.19,7.8 228.25,7.8 223.83,12.22 209.43,12.22 C154.2 209.11,10.53 206.38,7.8 185.29,7.8 C150.2 180.01,12.01 159.66,12.01 C149.2 158.59,12.01 138.24,12.01 C84.2 137.7,10.57 134.94,7.8 120.95,7.8 C148.2 115.67,12.01 95.3,12.01 C147.2 94.23,12.01 66.74,12.01 C153.2 66.2,10.5 63.5,7.8 61.56,7.8 57.14,12.22 42.73,12.22 C124.2 42.41,10.52 39.69,7.8 37.75,7.8 33.33,12.22 18.93,12.22 C131.2 ; 99.11,54.93 D174.1 ; 99.11,54.93 118.16,54.93 ; 99.11,54.93 99.1,54.94 80.05,54.94 ; 154.62,31.94 135.57,31.94 ; 154.62,31.94 D155.1 ; 135.57,31.94 D161.1 ; D220.1 110.9,132.44 94.23,132.44 ; SW1.S2 3,119.69 H4.1 ; SW1.S2 8.38,120.52 SW1.MP 14.17,120.52 SW1.C ; SW1.S2 4.05,116.19 4.05,111.91 6.64,109.32 SW1.MP ; 60.89,132.44 D217.1 ; 60.89,132.44 46.42,132.44 45.52,131.55 D216.1 43.5,131.15 34.1,121.74 ; C43.1 C27.2 144.71,129.69 ; 84.81,93.04 103.86,93.04 ; 84.81,93.04 D170.1 ; 84.81,93.04 65.76,93.04 ; 103.86,93.04 D167.1 ; 103.86,93.04 122.91,93.04 ; C25.1 136.35,91.78 X1.4 134.8,92.06 133.77,93.1 133.77,94.17 C11.2 ; C25.1 138.11,90.03 138.91,90.03 139.48,90.59 139.48,92.94 ; C25.1 137.57,90.84 ; 88.02,38.07 107.12,38.07 ; 88.02,38.07 69.02,38.07 ; 88.02,38.07 C110.2 ; 107.12,38.07 C102.2 ; 107.12,38.07 126.12,38.07 ; 89.55,121.64 D159.1 ; 89.55,121.64 63.27,121.64 62.19,120.56 D207.1 60.88,121.74 43.62,121.74 ; 89.55,121.64 118.13,121.64 ; 228.38,74.98 C116.2 ; 228.38,74.98 247.48,74.98 ; 228.38,74.98 209.38,74.98 ; C9.2 C6.2 138.31,107.48 138.31,113.73 ; 101.37,127.41 C145.2 ; 108.63,16.84 89.42,16.84 88.38,15.8 D221.1 ; 108.63,16.84 D222.1 ; 108.63,16.84 132.12,16.84 ; 171.28,74.98 152.18,74.98 ; 171.28,74.98 190.28,74.98 ; 171.28,74.98 C92.2 ; 152.18,74.98 C78.2 ; 152.18,74.98 133.19,74.98 ; 34.1,121.74 43.62,121.74 ; 211.77,31.94 D179.1 ; 232.43,121.64 D212.1 ; 232.43,121.64 261,121.64 D211.1 ; 232.43,121.64 203.85,121.64 ; 247.48,74.98 270.21,74.98 C155.2 ; 247.48,74.98 C120.2 ; 80.05,54.94 61,54.94 ; 80.05,54.94 D181.1 ; 151.49,16.84 D223.1 ; 151.49,16.84 132.12,16.84 ; 151.49,16.84 172.92,16.84 ; D202.1 16.94,53.86 18.02,54.94 v2(22.42,54.94) 41.95,54.94 ; 75.98,74.98 94.99,74.98 95.04,74.93 ; 75.98,74.98 C109.2 ; 83.09,70.14 64.04,70.14 ; 83.09,70.14 D183.1 ; 94.23,132.44 D219.1 ; C80.2 40.31,116.94 45.83,116.94 ; 59.38,31.94 D200.1 ; 59.38,31.94 28.42,31.94 ; 59.38,31.94 78.42,31.94 ; 64.04,70.14 D189.1 ; 64.04,70.14 44.99,70.14 ; H3.1 287.19,131.59 285.24,129.63 ; SW2.1 121.14,124.66 118.13,121.64 ; 34.81,16.84 D198.1 ; 34.81,16.84 v2(19.42,16.84) 13.23,16.84 ; 34.81,16.84 58.62,16.84 D227.1 ; 138.31,113.73 138.31,121.06 138.1,121.26 138.1,121.84 138.31,122.05 138.99,122.05 139.67,121.37 J4.4 ; 138.31,113.73 v2(137.32,112.74) ; 178.34,70.14 159.29,70.14 ; 178.34,70.14 D166.1 ; 178.34,70.14 197.42,70.14 ; 159.29,70.14 D152.1 ; 145.22,38.07 164.22,38.07 ; 145.22,38.07 126.12,38.07 ; 145.22,38.07 C81.2 ; 164.22,38.07 C88.2 ; 27.66,93.04 46.71,93.04 ; 27.66,93.04 28.85,91.86 ; 27.66,93.04 v2(17.12,93.04) 10.83,93.04 9.8,92.02 D201.1 9.8,92.57 v2(9.56,92.81) ; 46.71,93.04 D186.1 ; 46.71,93.04 65.76,93.04 ; C4.2 C7.2 132.33,107.34 v2(132.12,107.54) ; 213.41,54.93 D182.1 ; 213.41,54.93 232.46,54.93 ; v2(144.93,102.02) 145.62,102.72 U9.4 ; 61,54.94 D188.1 ; 61,54.94 41.95,54.94 ; 190.28,74.98 C97.2 ; 190.28,74.98 209.38,74.98 ; 232.46,54.93 234.65,57.12 261.23,57.12 D203.1 ; 232.46,54.93 D192.1 ; D171.1 197.39,70.14 197.42,70.14 ; 95.04,74.93 C98.2 ; C13.2 C14.2 130.64,104.86 v2(130.62,104.84) ; 118.13,121.64 D208.1 ; 177.57,121.64 203.85,121.64 ; 177.57,121.64 176.49,120.56 D214.1 ; 203.85,121.64 D213.1 ; C141.2 255.76,36.34 254.03,38.07 221.42,38.07 ; 16.92,88.36 16.49,88.36 C127.2 ; 16.92,88.36 17.02,88.36 ; 16.92,88.36 26.24,88.36 30.6,84 32.58,84 35.31,86.72 C119.2 35.59,88.36 45.23,88.36 49.59,84 51.98,84 54.31,86.32 C112.2 ; 172.92,16.84 D224.1 ; 44.99,70.14 v2(21.18,70.14) D206.1 ; 44.99,70.14 D199.1 ; C75.2 285.22,129.64 285.24,129.63 ; 134.55,96.04 134.55,95.14 C11.2 ; 118.16,54.93 D163.1 ; 41.95,54.94 D197.1 ; D205.1 12.18,15.8 15.62,19.24 15.62,27.17 20.4,31.94 v2(21.02,31.94) 28.42,31.94 ; 144.71,129.69 U4.1 154.52,126.91 156.57,128.95 C28.2 ; 144.71,129.69 141.2,129.69 J5.S1 ; 122.91,93.04 125.13,95.26 127.75,95.26 ; 122.91,93.04 D151.1 ; 28.42,31.94 D209.1 ; 161.01,93.04 144.12,93.04 ; 161.01,93.04 D168.1 ; C8.2 142.73,102.02 v2(142.73,102.02) ; 254.54,70.14 276.15,70.14 276.36,70.35 276.4,70.42 277.19,71.21 D229.1 278.13,71.31 283.95,77.13 283.95,81.72 272.62,93.04 268.02,93.04 266.97,91.99 D204.1 266.56,91.44 257.05,91.44 255.45,93.04 237.21,93.04 ; 254.54,70.14 235.49,70.14 ; 254.54,70.14 D194.1 ; 45.83,116.94 v2(50.23,112.54) 65.85,112.54 68.61,115.3 C133.2 68.91,116.94 74.47,116.94 78.83,112.57 94.46,112.57 97.2,115.32 C85.2 97.51,116.94 103.05,116.94 107.41,112.57 123.03,112.57 125.8,115.35 C134.2 ; 45.83,116.94 45.83,116.95 v2(45.83,118.09) ; C11.2 134.43,95.26 127.75,95.26 ; 156.26,54.93 D156.1 ; C130.2 273.4,86.73 270.67,84 268.73,84 264.37,88.36 245.09,88.36 C121.2 244.81,86.71 242.1,84 240.15,84 235.79,88.36 226.09,88.36 C111.2 225.81,86.76 223.05,84 221.1,84 216.74,88.36 206.99,88.36 C104.2 206.7,86.71 204,84 202.05,84 197.69,88.36 187.99,88.36 C95.2 187.7,86.76 184.95,84 183,84 178.64,88.36 168.89,88.36 C94.2 168.61,86.71 165.9,84 163.95,84 159.59,88.36 149.89,88.36 C76.2 149.61,86.76 146.85,84 144.9,84 140.54,88.36 130.79,88.36 C77.2 130.5,86.64 127.86,84 125.85,84 121.49,88.36 111.79,88.36 C93.2 111.51,86.72 108.78,84 106.8,84 102.46,88.34 92.7,88.34 C96.2 92.4,86.71 89.7,84 87.75,84 83.39,88.36 73.69,88.36 C103.2 73.41,86.76 70.65,84 68.7,84 64.36,88.34 54.61,88.34 ; v1(137.05,100.86) 138.05,99.86 U7.19 138.05,96.48 138.19,96.34 138.19,95.62 C24.2 137.65,94.56 X1.2 138.75,93.66 139.48,92.94 ; 78.42,31.94 D187.1 ; 65.76,93.04 D177.1 ; 126.12,38.07 C87.2 ; v2(276.52,131.94) 276.5,131.92 276.5,131.15 ; 285.24,129.63 SW3.1 ; 69.02,38.07 49.92,38.07 ; 69.02,38.07 C113.2 ; 68.07,127.41 v2(52.44,127.41) C142.2 ; 68.07,127.41 C143.2 ; v2(45.83,119.45) 45.83,119.54 43.62,121.74 ; C10.2 143.59,99.86 v2(143.61,99.84) ; 218.16,93.04 D185.1 ; 218.16,93.04 237.21,93.04 ; 127.75,95.26 J9.MP 125.35,98.21 127.1,99.96 ; 221.42,38.07 C117.2 ; 143.15,91.86 143.15,92.07 144.12,93.04 ; 133.19,74.98 133.18,74.98 C79.2 ; 49.92,38.07 C126.2 ; 49.92,38.07 v2(22.47,38.07) C135.2 ; 139.48,92.94 144.02,92.94 144.12,93.04 ; 216.44,70.14 197.42,70.14 ; 216.44,70.14 D180.1 ; 216.44,70.14 235.49,70.14 ; 237.21,93.04 D195.1 ; 209.38,74.98 C106.2 ; 235.49,70.14 D190.1 ; C118.2 240.1,48.67 237.33,45.9 235.39,45.9 231.03,50.26 221.29,50.26 C108.2 221,48.62 218.28,45.9 216.34,45.9 211.98,50.26 202.29,50.26 C99.2 202,48.67 199.23,45.9 197.29,45.9 192.93,50.26 183.19,50.26 C90.2 182.9,48.62 180.18,45.9 178.24,45.9 173.88,50.26 164.19,50.26 C82.2 163.9,48.67 161.13,45.9 159.19,45.9 154.83,50.26 145.09,50.26 C83.2 144.81,48.62 142.08,45.9 140.14,45.9 135.78,50.26 126.09,50.26 C89.2 125.8,48.67 123.03,45.9 121.09,45.9 116.73,50.26 106.99,50.26 C100.2 106.7,48.62 103.98,45.9 102.04,45.9 97.68,50.26 87.99,50.26 C107.2 87.7,48.67 84.93,45.9 82.99,45.9 78.63,50.26 68.89,50.26 C114.2 68.61,48.62 65.88,45.9 63.94,45.9 59.58,50.26 49.89,50.26 C123.2 49.61,48.67 46.83,45.9 44.89,45.9 40.53,50.26 v2(24.22,50.26) 23.69,50.26 C128.2 ; 132.12,16.84 131.24,15.96 D158.1 ; 127.1,99.96 J9.2 127.98,99.86 130.83,99.86 C12.2 ; 121.19,70.14 D165.1 ; v2(148.73,101.63) v2(148.73,99.84)
  Bottom w0.5: J5.S1 132.03,133.34 ; J5.S1 140.11,128.59 J5.A12 139.55,127.15 R6.2 ; SW2.1 133.84,124.95 R7.2 133.15,127.55 133.15,128.59 132.6,128.59 132.03,129.16
  vias: v1(13.83,24.44) v1(34.62,104.04) v1(84.42,114.84) v1(102.33,102.84) v1(103.73,15.14) v1(106.33,5.84) v1(107.73,110.34) v1(107.73,2.34) v1(123.92,15.44) v1(136.05,101.76) v1(136.05,100.86) v1(136.05,99.96) v1(137.05,101.76) v1(137.05,99.96) v1(137.05,99.96) v1(137.05,99.96) v1(137.05,99.96) v1(137.05,99.96) v1(137.95,101.76) v1(137.95,100.86) v1(137.95,99.96) v1(144.82,10.74) v1(145.32,77.84) v1(146.32,14.34) v1(149.02,8.24) v1(149.23,80.64) v1(150.43,104.54) v1(151.12,91.74) v1(152.52,56.54) v1(155.93,56.64) v1(156.62,91.94) v1(159.82,92.04) v1(159.93,56.54) v1(161.93,87.14) v1(167.12,13.94) v1(171.82,3.54) v1(176.32,98.04) v1(195.32,2.64) v1(250.62,1.54) v1(265.12,39.64)
